# Allegro board BRD-05058-01_B04.brd (continued)
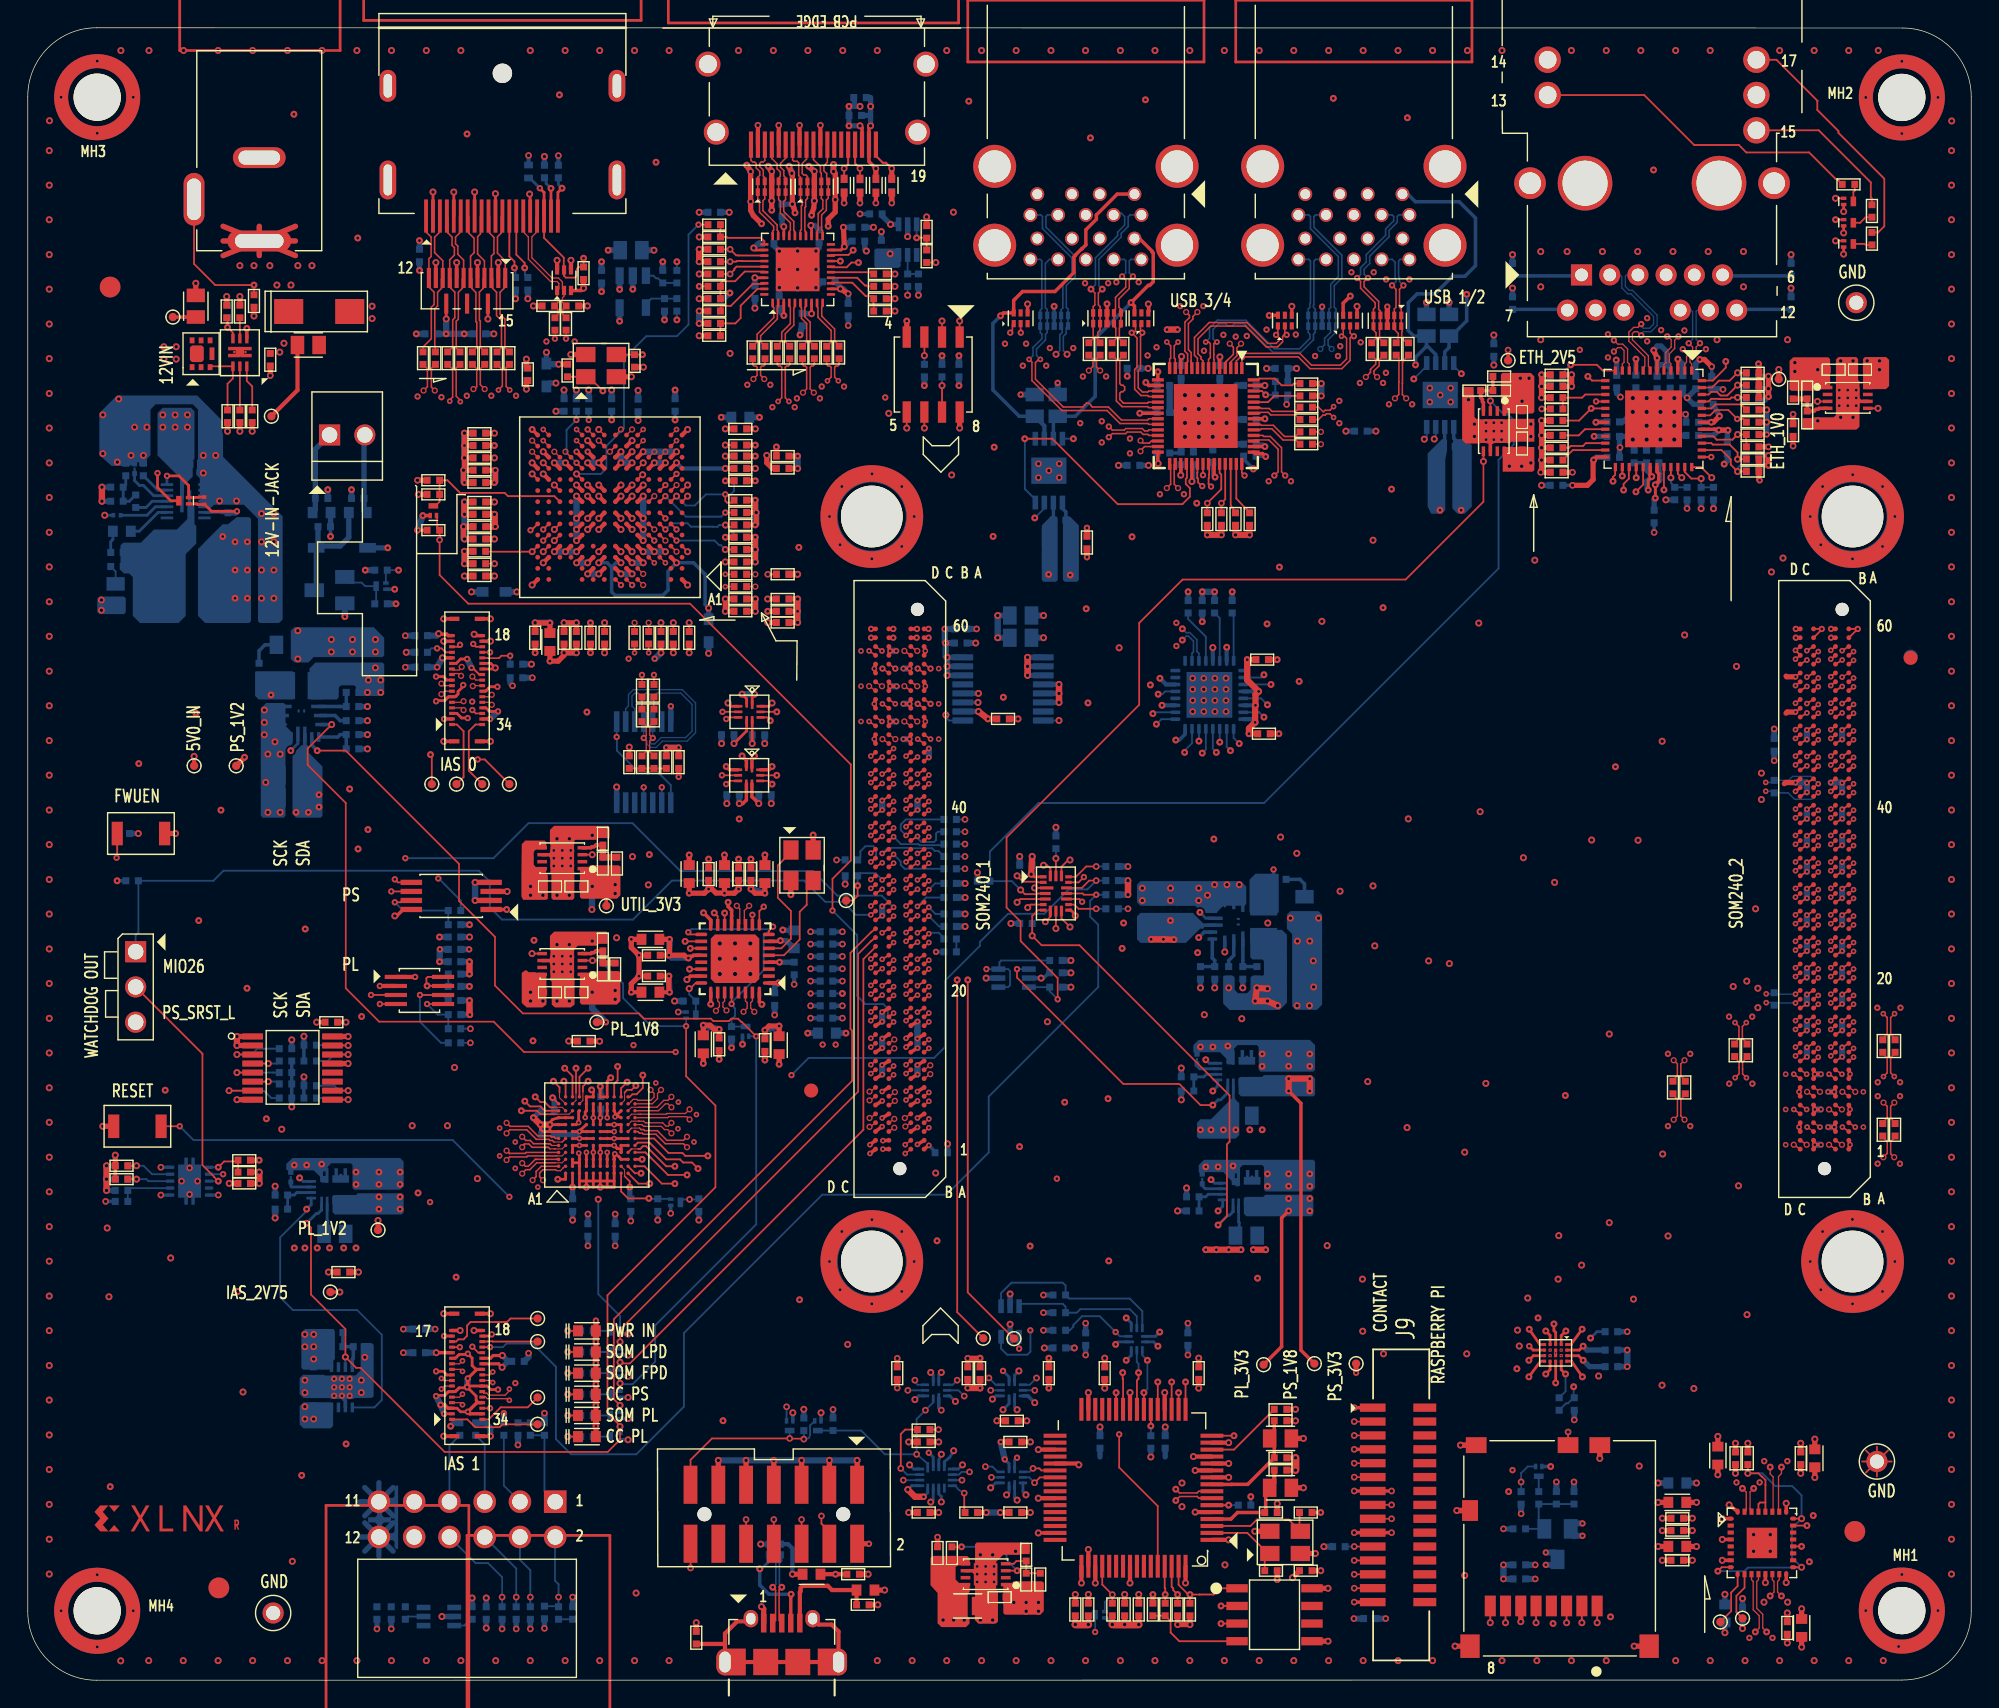
[diagram p0: board, top side]
## Placement (name value [footprint] x y rotation side) (continued)
C197  1UF  [CAPC160X80X90]  118.83 12.81 180 top
C198  0.1UF  [CAPC100X50X55]  118.83 8.64 180 top
C199  1UF  [CAPC160X80X90]  118.83 9.63 180 top
C200  0.1UF  [CAPC100X50X55]  118.83 10.77 180 top
C201  1UF  [CAPC160X80X90]  118.83 14.2 180 bottom
C202  0.1UF  [CAPC100X50X55]  118.83 11.66 180 top
C203  10uF  [CAPC200X125X145]  12.1 98.95 90 top
C204  10uF  [CAPC200X125X145]  20.21 96.15 0 top
C205  1UF  [CAPC100X50X70]  17.47 95.1 270 top
C206  0.047UF  [CAPC100X50X50]  16.17 91.02 270 top
C207  0.1UF  [CAPC100X50X55]  16.3 99.32 270 top
C208  1UF  [CAPC100X50X70]  21.36 83.07 180 bottom
C209  0.1UF  [CAPC100X50X55]  23.77 85.1 180 bottom
C210  0.1UF  [CAPC100X50X55]  21.16 85.1 0 bottom
C211  0.1UF  [CAPC100X50X55]  43.71 75.07 90 top
C212  0.1UF  [CAPC100X50X55]  44.73 75.07 90 top
C213  0.1UF  [CAPC100X50X55]  51.33 78.75 180 top
C214  0.1UF  [CAPC100X50X55]  51.33 79.64 180 top
C215  10PF  [CAPC100X50X55]  38.89 94.32 270 top
C216  10PF  [CAPC100X50X55]  43.71 95.01 90 top
C217  1UF  [CAPC100X50X70]  59.1 98.7 270 bottom
C218  1UF  [CAPC100X50X70]  55.79 97.99 270 bottom
C219  1UF  [CAPC100X50X70]  54.34 105.84 90 bottom
C220  1UF  [CAPC100X50X70]  52.38 99.96 270 bottom
C221  0.1UF  [CAPC100X50X55]  59.84 104.63 0 bottom
C222  0.01uF  [CAPC100X50X55]  49.45 99.49 0 bottom
C223  0.01uF  [CAPC100X50X55]  59.84 103.63 0 bottom
C225  0.1UF  [CAPC100X50X55]  49.45 105.71 180 bottom
C226  0.1UF  [CAPC100X50X55]  53.11 95.61 90 top
C227  0.1UF  [CAPC100X50X55]  52.22 95.61 90 top
C228  0.1UF  [CAPC100X50X55]  54.89 95.61 90 top
C229  0.1UF  [CAPC100X50X55]  54 95.61 90 top
C230  0.1UF  [CAPC100X50X55]  56.67 95.61 90 top
C231  0.1UF  [CAPC100X50X55]  55.81 95.61 90 top
C232  0.1UF  [CAPC100X50X55]  58.44 95.61 90 top
C233  0.1UF  [CAPC100X50X55]  57.55 95.61 90 top
C234  0.1UF  [CAPC100X50X55]  14.39 91.02 270 top
C235  39PF  [CAPC100X50X55]  14.33 98.57 90 top
C236  0.1UF  [CAPC100X50X55]  6.88 60.97 0 bottom
C237  0.1UF  [CAPC100X50X55]  33.03 4.84 270 bottom
C238  1UF  [CAPC100X50X70]  26.19 4.84 270 bottom
C239  22PF  [CAPC100X50X56]  29.22 86.41 180 top
C240  0.47UF  [CAPC100X50X55]  54.38 76.17 0 top
C241  0.1UF  [CAPC100X50X55]  36.55 75.07 270 top
C242  0.47UF  [CAPC100X50X55]  51.33 86.37 0 top
C243  0.1UF  [CAPC100X50X55]  51.33 88.15 0 bottom
C244  0.1UF  [CAPC100X50X55]  51.33 88.15 0 top
C245  0.1UF  [CAPC100X50X55]  51.33 82.31 0 top
C246  10UF  [CAPC100X50X70]  51.33 80.53 0 top
C247  10UF  [CAPC100X50X70]  54.38 76.98 0 top
C248  22UF  [CAPC160X80X100]  37.62 74.77 270 top
C249  0.47UF  [CAPC100X50X55]  40.54 75.07 90 top
C250  0.47UF  [CAPC100X50X55]  35.92 94.05 90 bottom
C251  0.1UF  [CAPC100X50X55]  32.54 88.03 180 top
C252  0.47UF  [CAPC100X50X55]  32.54 79.52 180 top
C253  0.47UF  [CAPC100X50X55]  42.06 91.84 90 bottom
C254  10UF  [CAPC100X50X70]  51.33 77.87 0 top
C255  10UF  [CAPC100X50X70]  39.52 75.07 270 top
C256  0.1UF  [CAPC100X50X55]  32.54 89.8 180 bottom
C257  0.1UF  [CAPC100X50X55]  43.97 91.8 90 bottom
C258  10UF  [CAPC100X50X70]  32.54 89.8 180 top
C259  10UF  [CAPC100X50X70]  54.38 79.64 0 bottom
C260  0.1UF  [CAPC100X50X55]  54.38 79.64 0 top
C261  1UF  [CAPC100X50X70]  61.09 105.59 180 bottom
C262  0.018UF  [CAPC100X50X55]  61.49 103.23 90 bottom
C263  1UF  [CAPC100X50X70]  59.95 113.97 180 bottom
C265  0.1UF  [CAPC100X50X55]  41.33 101.07 90 bottom
C266  47UF  [CAPC200X125X125]  43.46 102.98 0 bottom
C267  0.1UF  [CAPC100X50X55]  38.78 97.67 90 top
C268  0.1UF  [CAPC100X50X55]  37.97 97.67 90 top
C269  0.1UF  [CAPC100X50X55]  28.22 102.6 270 bottom
C270  0.1UF  [CAPC100X50X55]  29.07 96.96 180 bottom
C271  0.1UF  [CAPC100X50X55]  32.52 96.96 0 bottom
C272  10uF  [CAPC200X125X145]  100.76 97.58 90 bottom
C273  0.1UF  [CAPC100X50X55]  84.61 77.31 270 bottom
C274  10uF  [CAPC200X125X145]  102.39 97.58 90 bottom
C275  0.1UF  [CAPC100X50X55]  89.05 68.16 0 top
C276  0.1UF  [CAPC100X50X55]  76.3 81.93 90 top
C277  0.1UF  [CAPC100X50X55]  88.92 73.5 0 top
C278  2.2UF  [CAPC100X50X55]  83.59 77.31 270 bottom
C279  0.1UF  [CAPC100X50X55]  96.81 95.87 90 top
C280  0.1UF  [CAPC100X50X55]  98.58 95.87 270 top
C281  0.1UF  [CAPC100X50X55]  97.69 95.87 90 top
C282  0.1UF  [CAPC100X50X55]  99.46 95.87 270 top
C283  0.1UF  [CAPC100X50X55]  81.81 88.37 0 bottom
C284  0.1UF  [CAPC100X50X55]  88.03 88.15 180 bottom
C285  0.1UF  [CAPC100X50X55]  79.65 87.49 180 bottom
C286  0.1UF  [CAPC100X50X55]  88.03 90.79 180 bottom
C289  0.1UF  [CAPC100X50X55]  83.08 94.22 270 bottom
C290  0.1UF  [CAPC100X50X55]  85.88 94.22 270 bottom
C291  0.1UF  [CAPC100X50X55]  81.81 91.3 0 bottom
C292  0.1UF  [CAPC100X50X55]  79.65 94.47 180 bottom
C293  10uF  [CAPC200X125X145]  72.54 91.8 90 bottom
C294  10uF  [CAPC200X125X145]  74.19 91.8 90 bottom
C295  1000PF  [CAPC100X50X55]  83.97 87.99 90 bottom
C296  1000PF  [CAPC100X50X55]  96.04 89.95 0 bottom
C297  1000PF  [CAPC100X50X55]  88.03 89.01 180 bottom
C298  1000PF  [CAPC100X50X55]  88.03 93.24 180 bottom
C299  0.1UF  [CAPC100X50X55]  81.81 93.24 0 bottom
C300  0.1UF  [CAPC100X50X55]  90.32 94.47 180 bottom
C301  0.1UF  [CAPC100X50X55]  76.44 95.87 90 top
C302  0.1UF  [CAPC100X50X55]  78.11 95.87 270 top
C303  0.1UF  [CAPC100X50X55]  85.37 88.15 90 bottom
C304  0.1UF  [CAPC100X50X55]  83.08 87.99 90 bottom
C305  0.1UF  [CAPC100X50X55]  77.25 95.87 90 top
C306  0.1UF  [CAPC100X50X55]  78.93 95.87 270 top
C309  0.1UF  [CAPC100X50X55]  92.1 89.9 180 top
C310  0.1UF  [CAPC100X50X55]  92.1 89.01 180 top
C311  22UF  [CAPC200X125X145]  102.37 87.3 0 bottom
C312  22UF  [CAPC200X125X145]  102.37 85.4 0 bottom
C313  22UF  [CAPC200X125X145]  74.32 80.63 0 bottom
C314  22UF  [CAPC200X125X145]  74.32 82.28 0 bottom
C315  0.1UF  [CAPC100X50X55]  92.1 91.68 180 top
C316  0.1UF  [CAPC100X50X55]  92.1 90.79 180 top
C317  0.1UF  [CAPC100X50X55]  102.37 88.83 0 bottom
C318  0.1UF  [CAPC100X50X55]  74.33 83.55 0 bottom
C319  6800PF  [CAPC100X50X70]  6.42 80.2 180 bottom
C320  6800PF  [CAPC100X50X70]  16.66 72.79 90 bottom
C321  6800PF  [CAPC100X50X70]  90.19 57.67 0 bottom
C323  1UF  [CAPC100X50X70]  67.21 75.71 0 bottom
C324  0.1UF  [CAPC100X50X55]  67.21 74.69 0 bottom
C325  0.1UF  [CAPC100X50X55]  71.14 12.08 180 top
C326  0.1UF  [CAPC100X50X55]  71.14 17.16 0 top
C328  0.1UF  [CAPC100X50X55]  74.06 50.94 0 bottom
C329  0.1UF  [CAPC100X50X55]  30.74 52.63 180 bottom
C330  0.01uF  [CAPC100X50X55]  32.54 87.14 180 top
C331  0.01uF  [CAPC100X50X55]  54.38 77.87 0 top
C332  0.47UF  [CAPC100X50X55]  54.38 87.26 0 top
C333  1UF  [CAPC100X50X70]  32.54 83.07 180 top
C334  10UF  [CAPC100X50X70]  32.54 86.25 180 top
C335  10UF  [CAPC100X50X70]  32.54 83.96 180 top
C336  22UF  [CAPC160X80X100]  51.33 90.95 0 bottom
C337  0.01uF  [CAPC100X50X55]  32.54 82.18 180 top
C338  0.47UF  [CAPC100X50X55]  32.54 88.91 180 top
C339  0.47UF  [CAPC100X50X55]  46.63 91.84 90 bottom
C340  0.01uF  [CAPC100X50X55]  36.02 94.04 90 top
C341  10UF  [CAPC100X50X70]  32.54 84.85 180 top
C342  0.01uF  [CAPC100X50X55]  51.33 76.98 0 top
C343  10UF  [CAPC100X50X70]  54.38 88.15 0 top
C344  33PF  [CAPC100X50X56]  66.44 52.45 180 bottom
C345  0.1UF  [CAPC100X50X55]  123.85 45.36 90 top
C346  0.1UF  [CAPC100X50X55]  133.63 39.64 270 top
C347  0.1UF  [CAPC100X50X55]  122.96 45.36 90 top
C348  0.1UF  [CAPC100X50X55]  134.52 39.64 270 top
C349  0.1UF  [CAPC100X50X55]  118.51 42.69 270 top
C350  0.1UF  [CAPC100X50X55]  133.63 45.67 90 top
C351  0.1UF  [CAPC100X50X55]  119.4 42.69 270 top
C352  0.1UF  [CAPC100X50X55]  134.52 45.67 90 top
C353  47UF  [CAPC200X125X125]  71.52 76.67 0 bottom
C354  47UF  [CAPC200X125X125]  71.52 75.07 0 bottom
C355  0.1UF  [CAPC100X50X55]  76.21 24.56 90 bottom
C356  0.1UF  [CAPC100X50X55]  83.57 24.56 270 bottom
C357  0.01uF  [CAPC100X50X55]  53.3 103.45 0 bottom
C358  0.01uF  [CAPC100X50X55]  57.01 104 270 bottom
C359  0.01uF  [CAPC100X50X55]  57.72 100.7 180 bottom
C360  0.01uF  [CAPC100X50X55]  54.13 99.24 90 bottom
C361  10PF  [CAPC100X50X55]  59.61 112.69 180 bottom
C362  10PF  [CAPC100X50X55]  59.95 107.6 270 bottom
C363  10PF  [CAPC100X50X55]  58.81 107.62 270 bottom
C364  10PF  [CAPC100X50X55]  62.24 107.65 270 bottom
C365  10PF  [CAPC100X50X55]  38.22 108.65 90 bottom
C366  10PF  [CAPC100X50X55#2]  36.08 108.65 90 bottom
C367  0.47UF  [CAPC100X50X55]  111.39 13.13 270 bottom
C368  0.47UF  [CAPC100X50X55]  107.45 10.9 180 bottom
C369  0.1UF  [CAPC100X50X55]  107.45 7.29 180 bottom
C370  33PF  [CAPC100X50X56]  35.31 18.09 270 bottom
C371  33PF  [CAPC100X50X56]  39.25 4.84 90 bottom
C372  10PF  [CAPC100X50X55]  37.22 18.09 90 bottom
C373  10PF  [CAPC100X50X55]  37.22 4.88 270 bottom
C374  10PF  [CAPC100X50X55]  34.3 18.09 90 bottom
C375  10PF  [CAPC100X50X55]  36.2 4.84 270 bottom
C376  10PF  [CAPC100X50X55]  25.15 4.84 270 bottom
C377  10PF  [CAPC100X50X55]  32.27 18.09 90 bottom
C378  10PF  [CAPC100X50X55]  35.19 4.84 270 bottom
C379  10PF  [CAPC100X50X55]  31.12 18.09 90 bottom
C380  10PF  [CAPC100X50X55]  34.17 4.84 270 bottom
D1  SMAJ16A  [DO_214AC]  20.99 98.57 0 top
D2  MMSD4148T1G  [SOD_123]  22.63 81.55 180 bottom
DS1  LED-GRN-SMT  [LED_0603]  40.28 25.16 0 top
DS2  LED-GRN-SMT  [LED_0603]  40.28 22.11 0 top
DS3  LED-GRN-SMT  [LED_0603]  40.28 20.59 0 top
DS4  LED-GRN-SMT  [LED_0603]  40.28 19.06 0 top
DS5  LED-GRN-SMT  [LED_0603]  40.28 17.54 0 top
DS6  LED-GRN-SMT  [LED_0603]  40.28 23.64 0 top
J1  -  [HDR_1X3]  7.77 52.47 270 top
J2  HDR_2X6_F_RA  [HDR_F2X6_PMOD]  31.65 10.31 0 top
J3  87832-1420  [87832_1420]  53.74 11.95 180 top
J4  ZX62D_AB_5P8(30)  [CON_HR_ZX62D_AB_5P8]  54.32 4.11 0 top
J5  SS-53000-001  [CONN_STW_SS_53000_001]  56.85 115.15 180 top
J6  0472720001  [CON_MOLEX_47272]  34.19 115.72 180 top
J7  BM20B_0.8_-34DS-0.4V_51_  [CONN_928X90X80_38P]  31.65 72.02 90 top
J8  BM20B_0.8_-34DS-0.4V_51_  [CONN_928X90X80_38P]  31.65 21.99 90 top
J9  1-1734248-5  [CON_TE_1_1734248_5_FPC_VERT]  98.76 12.63 90 top
J10  L829-1J1T-43  [CON_BEL_ETH_L829_1J1T_43_G]  111.93 101.2 0 top
J11  -  [CON_MOL_10P_5025700893]  113.05 5.35 180 top
J12  PJ-202BH  [CON_CUI_PJ202AH]  16.68 103.65 90 top
J13  22-11-2022  [HDR_1X2_LOCK_MOLEX]  21.74 89.68 0 top
J15  BLACK  [TP_KEY_MINI]  17.68 4.84 0 top
J16  BLACK  [TP_KEY_MINI]  133.21 15.75 0 top
J17  BLACK  [TP_KEY_MINI]  131.72 99.2 0 top
JA1  ADM6-60-01.5-L-4-2-A-TR  [CON_SAMTEC_ADM6_60_4]  62.82 56.98 270 top
JA2  ADM6-60-01.5-L-4-2-A-TR  [CON_SAMTEC_ADM6_60_4]  129.43 56.98 270 top
L1  1.2UH  [IND_COIL_XEL5030]  11.25 79.06 0 bottom
L2  FERRITE-600  [INDC200X125X110]  90.24 13.86 180 top
L3  FERRITE-600  [INDC200X125X110]  90.24 17.41 180 top
L4  FERRITE-220  [INDC160X80X95]  56.46 7.63 180 top
L5  FERRITE-220  [INDC160X80X95]  60.35 6.49 180 top
L8  FERRITE-600  [INDC160X80X95]  21.16 84.09 0 bottom
L9  FERRITE-600  [INDC160X80X95]  23.77 84.09 180 bottom
L10  FERRITE-120  [IND_MUR_BLM18PG]  33.59 78.37 180 bottom
L11  FERRITE-120  [IND_MUR_BLM18PG]  49.05 75.58 270 bottom
L12  FERRITE-120  [IND_MUR_BLM18PG]  37.36 93.99 90 bottom
MH1  -  [MH_NP_M3_SO_600]  135 5.01 0 top
MH2  -  [MH_NP_M3_SO_600]  135 113.98 0 top
MH3  -  [MH_NP_M3_SO_600]  5 114 0 top
MH4  -  [MH_NP_M3_SO_600]  5 5 0 top
MH5  9774050960R  [CON_WE_WA-SMST_6MM]  60.8 83.8 0 top
MH6  9774050960R  [CON_WE_WA-SMST_6MM]  131.45 83.8 0 top
MH7  9774050960R  [CON_WE_WA-SMST_6MM]  60.8 30.15 0 top
MH8  9774050960R  [CON_WE_WA-SMST_6MM]  131.45 30.15 0 top
NOREF  -  []  4 18 0 top
NOREF#2  -  []  378.84 124.7 0 top
NOREF#3  -  [unnamed#2]  56.43 42.46 0 top
NOREF#4  -  []  43.09 120.02 0 top
NOREF#5  -  []  23.59 114.49 0 top
NOREF#6  -  []  3.33 81.17 0 top
NOREF#7  -  []  -73.43 219.72 0 top
NOREF#8  -  []  11.05 55.63 0 top
NOREF#9  -  []  0 -122.5 0 top
NOREF#10  -  []  641.15 126.8 0 top
NOREF#11  -  []  1.45 72.73 0 top
NOREF#12  -  []  45.36 114.1 0 top
NOREF#13  -  []  0 -122.5 0 top
NOREF#14  -  [unnamed#2]  135.63 73.62 0 top
NOREF#15  -  []  67.71 114 0 top
NOREF#16  -  [unnamed#3]  131.62 10.71 0 top
NOREF#17  -  []  641.15 345.49 0 top
NOREF#18  -  []  0 -120 0 top
NOREF#19  -  []  377.78 345.49 0 top
NOREF#20  -  [unnamed#3]  13.76 6.65 0 top
NOREF#21  -  []  87.02 114 0 top
NOREF#22  -  [unnamed#3]  5.93 100.33 0 top
NOREF#23  -  []  5 -2 90 top
NOREF#24  -  [unnamed#3]  5.93 100.33 180 bottom
NOREF#25  -  [unnamed#2]  135.64 73.71 180 bottom
NOREF#26  -  [unnamed#3]  131.62 10.71 180 bottom
NOREF#27  -  [unnamed#3]  13.76 6.65 180 bottom
Q1  DMN26D0UFB4-7  [DFN_105X65X40_3]  46.67 34.42 0 bottom
Q2  DMN26D0UFB4-7  [DFN_105X65X40_3]  131.16 106.49 0 top
Q3  DMN26D0UFB4-7  [DFN_105X65X40_3]  131.16 103.43 0 top
Q4  DMN26D0UFB4-7  [DFN_105X65X40_3]  131.16 104.96 0 top
Q5  IRFHS8342  [PQFN_65P210X2110X100-8]  12.49 95.52 90 top
Q6  DMN26D0UFB4-7  [DFN_105X65X40_3]  42.31 25.16 180 bottom
Q7  DMN26D0UFB4-7  [DFN_105X65X40_3]  42.31 22.11 180 bottom
Q8  DMN26D0UFB4-7  [DFN_105X65X40_3]  42.31 20.59 180 bottom
Q9  DMN26D0UFB4-7  [DFN_105X65X40_3]  42.31 19.06 180 bottom
Q10  DMN26D0UFB4-7  [DFN_105X65X40_3]  42.31 17.54 180 bottom
Q11  DMN26D0UFB4-7  [DFN_105X65X40_3]  51.71 46.72 90 bottom
Q12  DMN26D0UFB4-7  [DFN_105X65X40_3]  56.92 18.33 270 bottom
Q13  DMN26D0UFB4-7  [DFN_105X65X40_3]  54.89 18.33 270 bottom
Q14  FDN336P  [SOT_23]  110.2 9.8 0 bottom
Q15  DMN26D0UFB4-7  [DFN_105X65X40_3]  108.85 15.04 270 bottom
Q16  DMN26D0UFB4-7  [DFN_105X65X40_3]  47.78 47.89 0 bottom
Q17  DMN26D0UFB4-7  [DFN_105X65X40_3]  42.31 23.64 180 bottom
Q18  NDS331N  [SOT_23]  21.74 78.5 270 bottom
Q19  DMN26D0UFB4-7  [DFN_105X65X40_3]  77.24 4.71 180 bottom
Q20  DMN26D0UFB4-7  [DFN_105X65X40_3]  25.45 78.79 180 bottom
Q21  DMN26D0UFB4-7  [DFN_105X65X40_3]  11.23 84.94 180 top
Q22  DMN26D0UFB4-7  [DFN_105X65X40_3]  29.22 84.22 90 top
R1  200K  [RESC100X50X40]  88.54 50.94 90 bottom
R2  44.2K  [RESC100X50X40]  87.53 50.94 270 bottom
R4  100K  [RESC100X50X40]  84.48 50.94 90 bottom
R5  100K  [RESC100X50X40]  85.51 50.94 270 bottom
R6  10.0K  [RESC100X50X40]  127.17 92.72 270 top
R7  100K  [RESC100X50X40]  68.86 57.55 0 bottom
R10  40.2K  [RESC100X50X40]  105.99 93.89 180 top
R12  100K  [RESC100X50X40]  23.39 67.07 180 bottom
R13  200K  [RESC100X50X40]  23.39 71.13 180 bottom
R14  68 kOhms  [RESC100X50X40]  83.55 43.45 0 bottom
R15  10.0K  [RESC100X50X40]  104.21 92.87 180 top
R16  34.0K  [RESC100X50X40]  83.55 42.43 180 bottom
R17  10.0K  [RESC100X50X40]  128.19 90.95 270 top
R18  68 kOhms  [RESC100X50X40]  83.93 34.81 0 bottom
R20  15.0K  [RESC100X50X40]  83.93 33.8 180 bottom
R21  40.2K  [RESC100X50X40]  18.27 34.94 0 bottom
R23  10.0K  [RESC100X50X40]  41.43 52.97 90 top
R24  26.1K  [RESC100X50X40]  42.31 51.2 90 top
R26  40.2K  [RESC100X50X40]  18.27 33.92 180 bottom
R27  45.3 kOhms  [RESC100X50X40]  22.25 25.03 0 bottom
R28  100K  [RESC100X50X40]  71.91 54.5 0 bottom
R29  10.0K  [RESC100X50X40]  23.9 24.02 0 bottom
R30  20.0K  [RESC100X50X40]  6.42 85.92 0 bottom
R31  2.7K  [RESC100X50X40]  7.06 87.19 90 bottom
R32  1.00K  [RESC100X50X40]  7.78 84.9 90 bottom
R33  0  [RESC160X80X65]  6.78 82.74 180 bottom
R34  100K  [RESC60X30X26]  6.42 83.89 0 bottom
R36  56.2K  [RESC100X50X40]  72.94 7.25 90 top
R38  10.0K  [RESC100X50X40]  41.43 60.59 90 top
R39  56.2K  [RESC100X50X40]  42.44 58.82 90 top
R40  10.0K  [RESC100X50X40]  66.57 9.16 90 top
R41  10.0K  [RESC100X50X40]  71.92 9.03 90 top
R42  100K  [RESC100X50X40]  23.39 68.1 0 bottom
R43  200K  [RESC100X50X40]  23.39 70.12 0 bottom
R44  0  [RESC100X50X40]  65.81 37.99 0 bottom
R45  10.0K  [RESC100X50X40]  7.52 57.57 0 bottom
R46  10.0K  [RESC100X50X40]  15.59 36.59 180 top
R47  10.0K  [RESC100X50X40]  6.75 36.08 0 bottom
R48  10.0K  [RESC100X50X40]  6.75 35.27 0 bottom
R49  10.0K  [RESC100X50X40]  6.75 37.05 0 bottom
R50  10.0K  [RESC100X50X40]  15.59 37.45 0 top
R51  10.0K  [RESC100X50X40]  6.75 36.08 180 top
R54  200K  [RESC100X50X40]  30.74 50.85 180 bottom
R55  2.21K  [RESC100X50X40]  30.74 48.95 180 bottom
R56  2.21K  [RESC100X50X40]  30.74 47.93 180 bottom
R57  1.50K  [RESC100X50X40]  18.57 43.76 180 bottom
R58  2.21K  [RESC100X50X40]  18.57 41.92 180 bottom
R59  2.21K  [RESC100X50X40]  20.34 41.92 0 bottom
R60  2.21K  [RESC100X50X40]  20.34 44.59 0 bottom
R61  10.0K  [RESC100X50X40]  18.57 45.48 180 bottom
R62  1.50K  [RESC100X50X40]  18.57 44.59 180 bottom
R63  2.21K  [RESC100X50X40]  18.57 42.94 180 bottom
R64  2.21K  [RESC100X50X40]  20.34 42.81 0 bottom
R65  2.21K  [RESC100X50X40]  20.34 45.73 0 bottom
R66  0  [RESC100X50X40]  64.54 18.05 0 top
R73  0  [RESC100X50X40]  48.16 3.06 90 top
R74  10.0K  [RESC100X50X40]  81.05 5.09 270 top
R75  1.00K  [RESC100X50X40]  90.24 19.51 180 top
R76  10.0K  [RESC100X50X40]  82.83 5.09 90 top
R77  10.0K  [RESC100X50X40]  83.72 5.09 90 top
R78  2.00K  [RESC100X50X40]  81.94 5.09 90 top
R79  12.0K  [RESC100X50X40]  87.65 12.61 180 bottom
R80  249  [RESC100X50X40]  41.55 75.07 90 top
R81  249  [RESC100X50X40]  51.33 87.26 180 top
R83  20  [RESC100X50X40]  45.11 71.26 90 top
R84  249  [RESC100X50X40]  40.41 91.84 270 bottom
R85  20  [RESC100X50X40]  44.25 71.26 90 top
R87  10.0K  [RESC100X50X40]  64.59 94.31 90 bottom
R88  10.0K  [RESC100X50X40]  65.86 94.31 270 bottom
R89  4.02K  [RESC100X50X40]  61.39 101.27 0 top
R90  1M  [RESC100X50X40]  48.34 34.22 90 bottom
R91  10.0K  [RESC100X50X40]  45.38 34.22 90 bottom
R102  2.21K  [RESC100X50X40]  124.25 91.49 180 top
R103  2.21K  [RESC100X50X40]  110.13 90.71 0 top
R104  10.0K  [RESC100X50X40]  124.25 89.71 180 top
R105  10.0K  [RESC100X50X40]  124.25 87.93 180 top
R106  10.0K  [RESC100X50X40]  124.25 92.38 180 top
R107  10.0K  [RESC100X50X40]  124.25 93.26 180 top
R108  10.0K  [RESC100X50X40]  124.25 94.15 180 top
R109  5.76K  [RESC100X50X40]  124.25 87.04 180 top
R110  10.0K  [RESC100X50X40]  121.44 85.45 90 bottom
R111  10.0K  [RESC100X50X40]  118.64 85.45 90 bottom
R112  261  [RESC100X50X40]  131.16 107.72 180 top
R113  4.70K  [RESC100X50X40]  110.13 89.64 0 top
R114  4.70K  [RESC100X50X40]  110.13 88.76 0 top
R115  4.70K  [RESC100X50X40]  110.13 87.87 0 top
R116  10.0K  [RESC100X50X40]  124.25 88.82 0 top
R117  10.0K  [RESC100X50X40]  124.23 88.25 0 bottom
R118  10.0K  [RESC100X50X40]  124.23 92.18 0 bottom
R119  10.0K  [RESC100X50X40]  124.23 93 0 bottom
R120  10.0K  [RESC100X50X40]  124.23 93.89 0 bottom
R121  2.49K  [RESC100X50X40]  124.23 87.36 0 bottom
R122  10.0K  [RESC100X50X40]  120.55 85.45 270 bottom
R123  2.49K  [RESC100X50X40]  119.53 85.45 270 bottom
R124  261  [RESC100X50X40]  132.85 103.81 90 top
R125  10.0K  [RESC100X50X40]  124.25 90.6 180 top
R126  11.0K  [RESC100X50X40]  110.13 93.53 180 bottom
R127  261  [RESC100X50X40]  132.85 105.81 90 top
R130  4.70K  [RESC100X50X40]  114.08 25.1 180 bottom
R133  300K  [RESC100X50X40]  15.28 91.02 90 top
R134  274K  [RESC100X50X40]  14.39 98.57 90 bottom
R135  422  [RESC100X50X40]  15.28 98.57 90 top
R137  4.70K  [RESC100X50X40]  32.54 80.41 0 top
R138  4.70K  [RESC100X50X40]  32.54 81.29 0 top
R141  4.70K  [RESC100X50X40]  51.33 84.09 180 top
R145  4.70K  [RESC100X50X40]  51.33 83.2 180 top
R146  4.70K  [RESC100X50X40]  51.33 84.98 180 top
R151  4.70K  [RESC100X50X40]  51.33 81.42 0 top
R153  4.70K  [RESC100X50X40]  51.33 82.31 0 bottom
R154  4.70K  [RESC100X50X40]  51.33 86.37 0 bottom
R155  10.0K  [RESC100X50X40]  47.65 75.07 270 top
R157  261  [RESC100X50X40]  40.28 25.16 180 bottom
R158  261  [RESC100X50X40]  40.28 22.11 180 bottom
R159  261  [RESC100X50X40]  40.28 20.59 180 bottom
R160  261  [RESC100X50X40]  40.28 19.06 180 bottom
R161  261  [RESC100X50X40]  40.28 17.54 180 bottom
R162  499  [RESC100X50X40]  66.44 57.38 0 bottom
R163  499  [RESC100X50X40]  66.44 56.36 0 bottom
R164  499  [RESC100X50X40]  66.44 55.18 0 bottom
R165  499  [RESC100X50X40]  66.44 54.28 0 bottom
R166  100K  [RESC100X50X40]  27.2 4.84 270 bottom
R167  100K  [RESC100X50X40]  32.01 4.84 270 bottom
R168  3.01K  [RESC100X50X40]  29.22 85.4 0 top
R169  10.0K  [RESC100X50X40]  46.51 75.07 270 top
R170  2.49K  [RESC100X50X40]  46 66.11 270 top
R171  1.50K  [RESC100X50X40]  43.33 66.11 90 top
R172  49.9  [RESC100X50X40]  45.11 66.11 90 top
R173  49.9  [RESC100X50X40]  44.25 66.11 90 top
R174  100K  [RESC100X50X40]  45.62 75.07 270 top
R175  1M  [RESC100X50X40]  39.52 91.84 270 bottom
R176  1M  [RESC100X50X40]  51.33 88.95 0 top
R177  10.0K  [RESC100X50X40]  64.75 104.3 270 top
R178  10.0K  [RESC100X50X40]  49.45 99.49 0 top
R179  10.0K  [RESC100X50X40]  61.39 98.6 180 top
R180  10.0K  [RESC100X50X40]  49.45 96.82 0 top
R181  10.0K  [RESC100X50X40]  61.39 100.38 180 top
R182  0  [RESC100X50X40]  64.75 102.55 90 top
R183  0  [RESC100X50X40]  63.38 100.82 90 bottom
R184  10.0K  [RESC100X50X40]  64.16 100.82 90 bottom
R185  0  [RESC100X50X40]  49.45 104.82 0 top
R186  0  [RESC100X50X40]  49.45 100.38 0 top
R187  10.0K  [RESC100X50X40]  49.45 103.93 180 top
R188  10.0K  [RESC100X50X40]  49.45 97.71 180 top
R189  10.0K  [RESC100X50X40]  49.45 98.6 180 top
R190  10.0K  [RESC100X50X40]  61.39 99.49 0 top
R192  4.70K  [RESC100X50X40]  49.45 103.04 0 top
R193  4.70K  [RESC100X50X40]  49.45 102.15 0 top
R194  100K  [RESC100X50X40]  49.45 101.27 180 top
R195  10.0K  [RESC100X50X40]  45.74 101.07 270 bottom
R196  10.0K  [RESC100X50X40]  45.87 99.04 90 bottom
R197  0  [RESC100X50X40]  46.76 99.04 90 bottom
R198  0  [RESC100X50X40]  46.76 101.07 270 bottom
R199  1M  [RESC100X50X40]  40.04 101.33 270 top
R200  0  [RESC100X50X40]  37.22 108.65 90 bottom
R202  1M  [RESC100X50X40]  36.02 100.57 270 bottom
R203  1M  [RESC100X50X40]  35.14 100.57 270 bottom
R205  100K  [RESC100X50X40]  39.23 98.97 180 top
R206  100K  [RESC100X50X40]  37.5 98.97 180 top
R207  10.0K  [RESC100X50X40]  78.11 57.58 180 bottom
R208  10.0K  [RESC100X50X40]  78.11 56.57 180 bottom
R209  10.0K  [RESC100X50X40]  85.49 77.31 270 bottom
R210  10.0K  [RESC100X50X40]  74.06 60.34 270 bottom
R213  8.06K  [RESC100X50X40]  86.76 77.31 90 bottom
R216  10.0K  [RESC100X50X40]  85.99 83.62 90 top
R217  10.0K  [RESC100X50X40]  84.97 83.62 90 top
R218  10.0K  [RESC100X50X40]  78.11 58.6 180 bottom
R219  200K  [RESC100X50X40]  87 83.62 270 top
R220  200K  [RESC100X50X40]  88.02 83.62 270 top
R221  12.0K  [RESC100X50X40]  92.1 93.38 0 top
R222  0  [RESC100X50X40]  92.1 92.49 0 top
R223  1.00  [RESC200X125X75]  6.33 78.17 270 bottom
R224  1.00  [RESC200X125X75]  18.69 74.56 0 bottom
R225  1.00  [RESC200X125X75]  91.97 55.64 270 bottom
R232  4.70K  [RESC100X50X40]  50.7 46.62 90 bottom
R233  10.0K  [RESC100X50X40]  58.01 18.43 270 bottom
R234  10.0K  [RESC100X50X40]  55.9 18.43 270 bottom
R235  10.0K  [RESC100X50X40]  80.9 17.16 90 bottom
R236  10.0K  [RESC100X50X40]  110.12 13.13 270 bottom
R237  4.70K  [RESC100X50X40]  47.68 48.91 0 bottom
R240  4.70K  [RESC100X50X40]  123.91 15.98 90 top
R241  10.0K  [RESC100X50X40]  67.97 12.08 0 top
R243  100K  [RESC100X50X40]  74.06 51.83 180 bottom
R244  100K  [RESC100X50X40]  74.06 49.91 180 bottom
R247  10.0K  [RESC100X50X40]  110.32 19.89 90 bottom
R248  30  [RESC100X50X40]  66.44 61.99 0 bottom
R249  30  [RESC100X50X40]  66.44 61.1 0 bottom
R250  30  [RESC100X50X40]  59.33 59.07 180 bottom
R251  30  [RESC100X50X40]  66.44 58.43 0 bottom
R252  30  [RESC100X50X40]  66.44 59.32 0 bottom
R253  30  [RESC100X50X40]  66.44 60.21 0 bottom
R254  261  [RESC100X50X40]  40.28 23.64 180 bottom
R255  0  [RESC100X50X40]  30.74 55.43 0 bottom
R256  1.00K  [RESC100X50X40]  30.74 54.41 0 bottom
R257  2.21K  [RESC100X50X40]  28.34 74.02 0 bottom
R258  2.21K  [RESC100X50X40]  35.2 73.17 180 bottom
R259  10.0K  [RESC100X50X40]  94.45 9.62 0 bottom
R260  10.0K  [RESC100X50X40]  25.45 77.52 180 bottom
R261  10.0K  [RESC100X50X40]  25.45 79.94 180 bottom
R262  10.0K  [RESC100X50X40]  78.13 5.09 270 top
R263  10.0K  [RESC100X50X40]  59.33 57.93 180 bottom
R264  20  [RESC100X50X40]  66.44 53.38 0 bottom
R265  100K  [RESC60X30X26]  12.72 84.93 90 top
R266  10.0K  [RESC100X50X40]  74.31 27.74 0 bottom
R267  10.0K  [RESC100X50X40]  74.31 26.47 0 bottom
R268  10.0K  [RESC100X50X40]  74.31 25.2 0 bottom
R269  1M  [RESC100X50X40]  29.22 82.82 0 top
R270  100  [RESC100X50X40]  90.32 93.53 0 bottom
R271  100  [RESC100X50X40]  90.32 92.55 0 bottom
R272  1.00K  [RESC100X50X40]  108.85 13.13 90 bottom
R273  10.0K  [RESC100X50X40]  107.58 13.13 90 bottom
R274  20  [RESC100X50X40]  36.2 18.09 270 bottom
R275  20  [RESC100X50X40]  38.23 4.84 90 bottom
R276  0  [RESC100X50X40]  57.54 47.68 180 bottom
R277  0  [RESC100X50X40]  57.54 48.57 180 bottom
R278  0  [RESC100X50X40]  57.54 49.46 180 bottom
R279  0  [RESC100X50X40]  57.54 50.35 180 bottom
R280  0  [RESC100X50X40]  57.54 52.12 180 bottom
R281  0  [RESC100X50X40]  57.54 51.23 180 bottom
R282  0  [RESC100X50X40]  57.54 53.01 180 bottom
R283  0  [RESC100X50X40]  57.54 53.9 180 bottom
R284  100  [RESC100X50X40]  125.81 49.06 90 bottom
R285  100  [RESC100X50X40]  125.81 64.35 90 bottom
R286  0  [RESC100X50X40]  30.74 46.92 0 bottom
R287  0  [RESC100X50X40]  30.74 45.9 0 bottom
R288  0  [RESC100X50X40]  78.11 55.55 0 bottom
SW1  B3U-1000P  [SW_OMRON_2P]  8.15 60.97 180 top
SW2  B3U-1000P  [SW_OMRON_2P]  7.9 39.89 0 top
TP1  -  [TP_PAD]  17.55 91.02 270 top
TP3  -  [TP_PAD]  10.45 98.17 90 top
TP5  -  [TP_PAD]  11.98 65.85 0 top
TP7  -  [TP_PAD]  41.68 55.77 180 top
TP9  -  [TP_PAD]  15.01 65.85 270 top
TP11  -  [TP_PAD]  95.69 22.8 180 top
TP13  -  [TP_PAD]  106.64 95.04 270 top
TP15  -  [TP_PAD]  92.68 22.8 0 top
TP17  -  [TP_PAD]  126.14 93.69 0 top
TP19  -  [TP_PAD]  25.23 32.42 0 top
TP21  -  [TP_PAD]  89.03 22.72 0 top
TP23  -  [TP_PAD]  21.8 27.95 90 top
TP24  -  [TP_PAD]  40.99 47.39 0 top
TP27  -  [TP_PAD]  30.88 64.53 180 top
TP28  -  [TP_PAD]  32.74 64.53 180 top
TP29  -  [TP_PAD]  29.11 64.53 180 top
TP30  -  [TP_PAD]  34.69 64.53 180 top
TP31  -  [TP_PAD]  36.73 18.43 180 top
TP32  -  [TP_PAD]  36.73 20.36 180 top
TP33  -  [TP_PAD]  36.73 26.05 180 top
TP34  -  [TP_PAD]  36.73 24.39 180 top
TP35  -  [TP_PAD]  121.93 4.2 270 top
TP36  -  [TP_PAD]  123.53 4.46 270 top
TP37  -  [TP_PAD]  58.95 56.15 0 top
TP38  -  [TP_PAD]  68.83 24.63 0 top
TP39  -  [TP_PAD]  71.04 24.6 0 top
U1  MPM3840GQV-Z  [PQFN20_MPS_MPM3840GQV]  87.78 54.62 270 bottom
U2  MPM3840GQV-Z  [PQFN20_MPS_MPM3840GQV]  19.71 70.37 0 bottom
U3  MPM3810AGQB-Z  [QFN12_MPM3805A]  87.15 43.83 270 bottom
U4  MPM3810AGQB-Z  [QFN12_MPM3805A]  87.53 35.19 270 bottom
U5  MPM3810AGQB-Z  [QFN12_MPM3805A]  21.87 35.32 270 bottom
U6  MP8772  [QFN40P300X300X100-16_MP8772]  11.38 84.9 0 bottom
U7  MP8904  [QFN_MP8904DD_8]  38.5 59.2 180 top
U8  MP8904  [QFN_MP8904DD_8]  22.63 21.1 270 bottom
U9  MP8904  [QFN_MP8904DD_8]  38.5 51.58 180 top
U10  MP8904  [QFN_MP8904DD_8]  105.61 89.95 270 top
U11  MP8904  [QFN_MP8904DD_8]  69 7.63 180 top
U12  MP8904  [QFN_MP8904DD_8]  131.11 92.34 0 top
U13  TPS3430WDRCR  [VSON-CLIP11_3X3MM]  11.66 35.94 0 bottom
U14  INA260  [TSSOP065P620X120_16]  70.25 71.39 180 bottom
U15  M24C64-DRDW8  [TSSOP8_65P440X300MM]  30.5 56.48 180 top
U16  PCA9306DCTR  [DCT_R_PDSO_G8]  28.22 49.67 270 top
U17  Si5332BD12407-GM1  [QFN05P500X500X90_32_350]  50.95 51.96 180 top
U18  TCA9546A  [SOP65P640X120-16]  19.07 44.08 0 top
U19  SLG7XL44677  [QFN_40P200X300X60-20]  74.06 56.66 0 top
U22  SN74AVC4T245  [QFN_RSV_16]  65.43 14.61 270 bottom
U23  NC7WZ07  [SC70_6]  70.76 25.83 270 bottom
U24  FT4232HL_LQFP64  [LQFP_64]  79.65 13.86 180 top
U25  SN74AVC2T245  [QFN40P140X180X55-10]  65.43 20.88 90 bottom
U26  93LC56B  [SOIC8P127W390]  89.81 4.71 0 top
U27  STDP4320  [BGA172C80P14X14_1215X1215X170]  41.93 84.47 180 top
U28  SN74AVC2T245  [QFN40P140X180X55-10]  51.97 65.17 270 top
U29  FIN1019  [TSSOP_14]  44.37 66.11 90 bottom
U30  SN74AVC2T245  [QFN40P140X180X55-10]  51.99 69.74 270 top
U31  SST25VF020B  [SOIC127P600X175_8]  65.23 94.03 270 top
U32  SN75DP139RSBR  [WQFN_40]  55.46 101.6 90 top
U33  STMPS2151STR  [SOT95P280X145_5]  43.58 100 0 bottom
U34  AP1302CSSL00SMGA0-DR  [BGA120C50X50P12X12_660X660X80]  40.99 39.26 90 top
U36  DP83867CRRGZR  [VQFN05P700X700X100_48_408EP]  117.12 90.84 270 top
U37  USB3320  [QFN05P500X500X100_32P_330EP]  85.12 70.96 90 bottom
U38  PI4ULS3V4857  [WLCSP20_04P_4X5]  110.07 23.57 270 top
U40  Si5332HD12431-GM1  [PQFN05P500X500X100_32P_220EP]  124.92 9.89 0 top
U41  MP5016HGQH-Z  [PQFN10_MP5016HGQH]  15.28 95.65 180 top
U42  TPS22948DCKR  [SC70_6]  29.61 4.59 180 bottom
U43  USB5744  [VQFN40P700X700X100-56_460EP]  84.86 91.04 270 top
U44  GSB311231HR  [CONN_USB_DUAL_GSB311231HR]  95.53 105.52 270 top
U45  MP62341DH-LF-Z  [MSOP8E65P490X110]  101.75 92.55 90 bottom
U46  GSB311231HR  [CONN_USB_DUAL_GSB311231HR]  76.22 105.52 270 top
U47  MP62341DH-LF-Z  [MSOP8E65P490X110]  73.56 87.1 90 bottom
U48  TPS22948DCKR  [SC70_6]  63.38 103.74 270 bottom
U49  TPD1E05U06DPYT  [DIOC100X60X45]  61.09 107.62 270 top
U50  TPD4E05U06DQAR  [DQA_R_PSON_N10]  53.59 107.55 0 top
U51  TPD4E05U06DQAR  [DQA_R_PSON_N10]  56.66 107.55 0 top
U52  TPD1E05U06DPYT  [DIOC100X60X45]  62.24 107.62 270 top
U55  TPD1E05U06DPYT  [DIOC100X60X45]  58.81 107.62 270 top
U58  TPD1E05U06DPYT  [DIOC100X60X45]  59.95 107.62 270 top
U61  TPD8S009DSMR  [SON_15P]  31.65 100.06 180 top
U62  TPD4E001DRLR  [DRL_R_PDSO_N6]  38.63 100.82 0 top
U64  SN74AVC2T245  [QFN40P140X180X55-10]  70.89 20.88 90 bottom
U65  SN74AVC2T245  [QFN40P140X180X55-10]  70.89 14.61 90 bottom
U66  TPD4E05U06DQAR  [DQA_R_PSON_N10]  93.24 97.9 0 bottom
U67  TPD4E05U06DQAR  [DQA_R_PSON_N10]  97.94 97.9 180 top
U68  TPD4E05U06DQAR  [DQA_R_PSON_N10]  77.75 98.08 0 top
U69  TPD4E05U06DQAR  [DQA_R_PSON_N10]  73.94 97.9 0 bottom
U70  NC7WZ07  [SC70_6]  71.02 50.56 0 bottom
U71  SN74AVC2T245  [QFN40P140X180X55-10]  79.89 24.56 0 bottom
X1  TPD4S012  [DRY_6_SON]  53.82 9.41 180 bottom
X2  12.00MHZ  [XTAL_320X250X71]  90.57 9.93 0 top
X3  27.00MHZ  [XTAL_320X250X71]  55.78 58.69 270 top
X4  27.00MHZ  [XTAL_320X250X71]  41.3 94.67 0 top
X5  TPD4S012  [DRY_6_SON]  90.56 97.91 0 top
X6  TPD4S012  [DRY_6_SON]  95.26 97.91 0 top
X7  TPD4S012  [DRY_6_SON]  71.52 98.08 0 top
X8  TPD4S012  [DRY_6_SON]  80.22 98.08 0 top
Z1  -  [0201_SHORT]  7.69 87.31 270 bottom
Z2  -  [0201_SHORT]  84.61 36.16 270 bottom
Z4  -  [0201_SHORT]  84.22 44.8 270 bottom
Z5  -  [0201_SHORT]  18.95 36.29 270 bottom

## Library data of the parts
C1-C3 C6 C10 C11 C20 C26 C30-C35 C311-C314 = CAP_NP: signal model: DEFAULT_CAPACITOR_2.2e+07pF_2_1
C4 C266 C353 C354 = CAP_NP: alternate symbols: (CAPC200X125X125RND); signal model: DEFAULT_CAPACITOR_4.7e+07pF_2_1
C5 C9 C103 C104 C172 C173 = CAP_NP: alternate symbols: (CAPC100X50X55RND); signal model: DEFAULT_CAPACITOR_27.000000pF_2_1
C7 C8 C18 C19 C24 C25 C45 C48 C248 C336 = CAP_NP: alternate symbols: (0603); signal model: DEFAULT_CAPACITOR_2.2e+07pF_2_1
C12 C15-C17 C22 C23 C28 C29 C42 C43 C78 C79 C159 C160 C167 C203 C204 C246 C247 C254 C255 C258 C259 C272 C274 C293 C294 C334 C335 C341 C343 = CAP_NP: signal model: DEFAULT_CAPACITOR_1e+07pF_2_1
C13 C14 C21 C27 C41 C44 C295-C298 = CAP_NP: alternate symbols: (CAPC100X50X55RND); signal model: DEFAULT_CAPACITOR_1000pF_2_1
C36 C37 C49 C50 C53 C55 C57 C59 C61 C63-C65 C68 C70 C72 C74 C75 C80 C81 C83 C84 C86-C88 C90-C94 C96-C102 C105-C124 C126-C128 C130 C132 C137 C144-C146 C148 C149 C152-C155 C168-C171 C175 C176 C190 C192 C194 C196 C198 C200 C202 C207 C209-C214 C221 C225-C234 C236 C237 C241 C243-C245 C251 C256 C257 C260 C265 C267-C271 C273 C275-C277 C279-C286 C289-C292 C299-C306 C309 C310 C315-C318 C324-C326 C328 C329 C345-C352 = CAP_NP: alternate symbols: (CAPC100X50X55RND); signal model: DEFAULT_CAPACITOR_100000pF_2_1
C38 C51 C89 C125 C129 C131 C133-C136 C140-C143 C150 C151 C156-C158 C162-C165 C205 C208 C217-C220 C238 C261 C263 C323 C333 = CAP_NP: alternate symbols: (CAPC100X50X55RND); signal model: DEFAULT_CAPACITOR_1e+06pF_2_1
